# KiCad board stm32_hotswap_chiffre.kicad_pcb
title: Le Chiffre STM32; date: 2023-06-25; rev: v0.1; company: sporkus
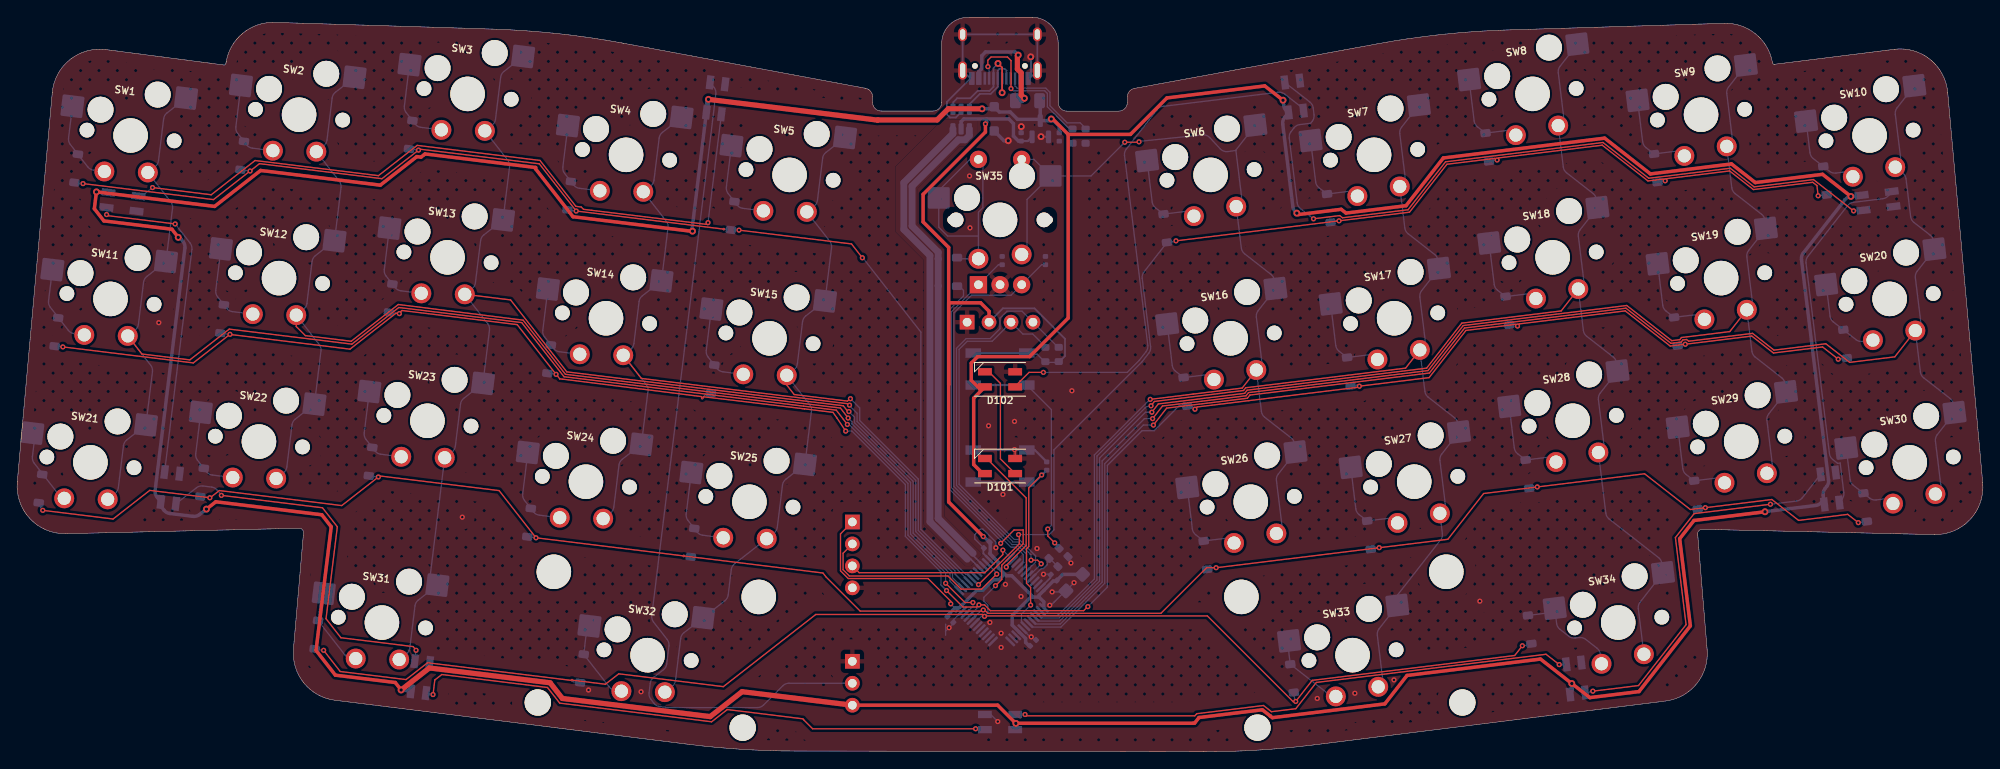
[diagram p0: board, top side]
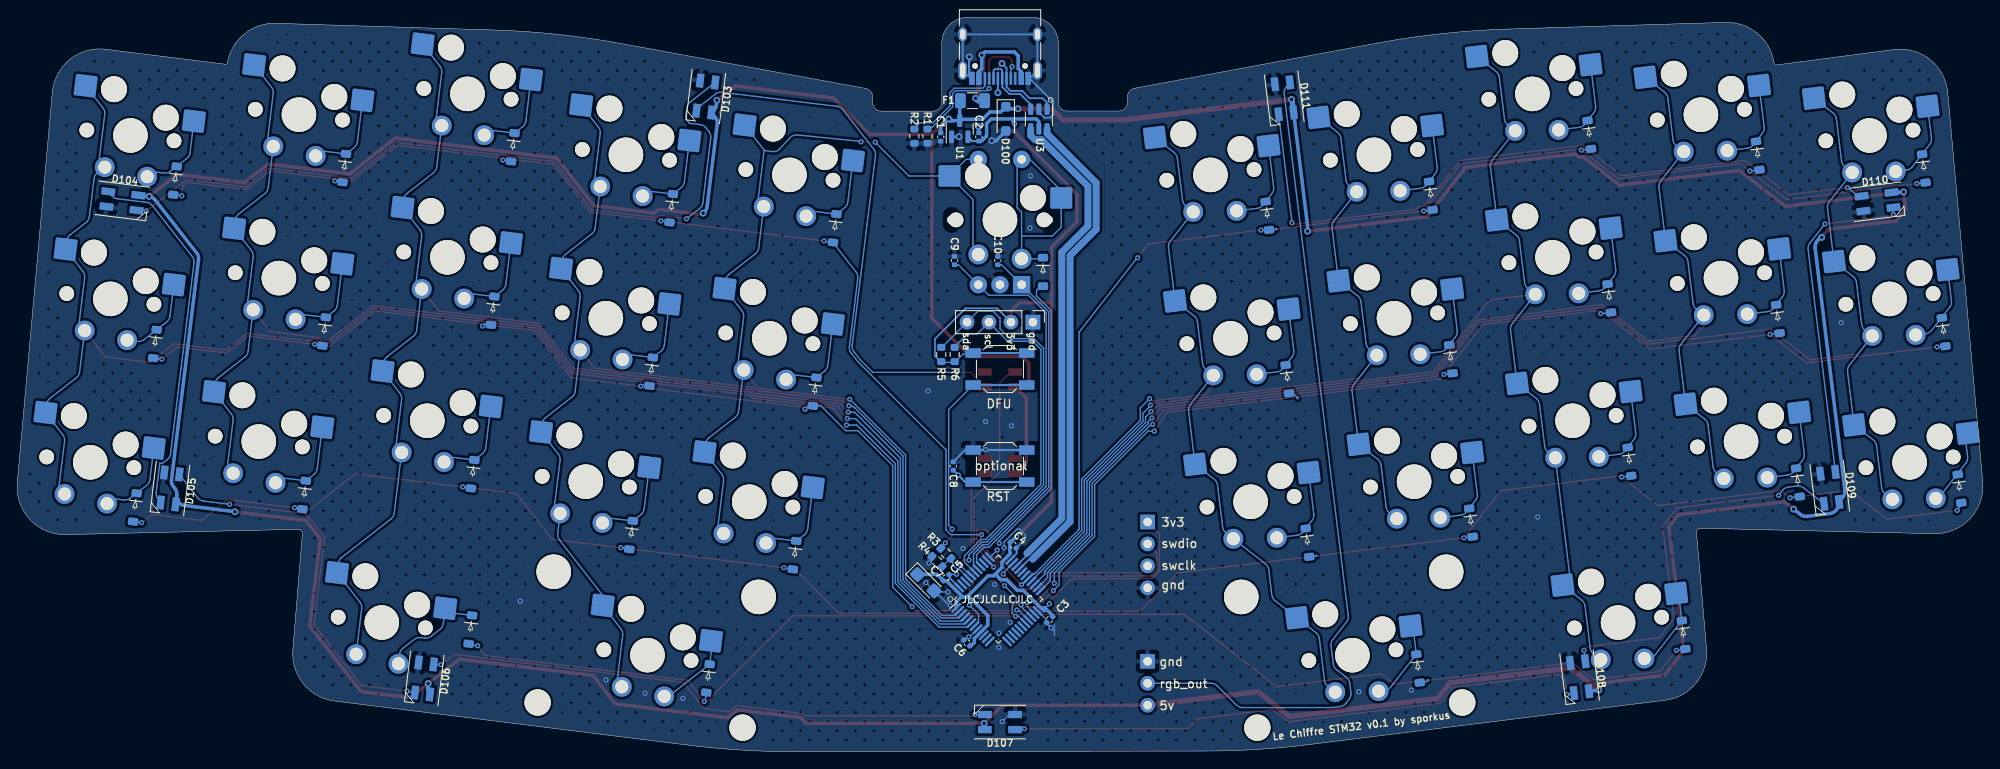
[diagram p1: board, bottom side, seen from below]

Outline 227.3 x 84.96 mm; copper layers: Top, Bottom. Coordinates in mm from the lower left corner of the outline.
Outline path: 4.05,76.27 0,31.21 arc(1.46,26.96) 5.61,25.22 32.59,25.86 arc(32.97,25.7) 33.1,25.31 31.94,11.89 arc(33.14,7.95) 36.74,5.95 77.7,0.85 arc(83.79,0.28) 89.9,0.08 137.22,0 arc(143.51,0.19) 149.77,0.77 190.63,5.87 arc(194.22,7.86) 195.43,11.77 194.33,25.19 arc(194.47,25.57) 194.84,25.73 221.7,25.12 arc(225.84,26.86) 227.3,31.11 223.25,76.3 arc(221.22,80.09) 217.09,81.26 203.21,79.53 arc(203.07,79.57) 202.99,79.69 202.96,79.85 arc(200.99,83.08) 197.4,84.27 172.33,83.5 arc(164.79,82.98) 157.31,81.9 129.2,76.74 arc(128.61,76.4) 128.38,75.76 128.38,75.11 arc(128.09,74.4) 127.38,74.11 121.38,74.11 arc(120.67,74.4) 120.38,75.11 120.38,81.97 arc(119.5,84.09) 117.37,84.96 109.9,84.95 arc(107.79,84.07) 106.91,81.95 106.91,75.12 arc(106.62,74.41) 105.91,74.12 99.91,74.12 arc(99.2,74.41) 98.91,75.12 98.91,75.77 arc(98.68,76.41) 98.09,76.75 70.07,81.97 arc(62.5,83.08) 54.86,83.6 29.74,84.37 arc(26.1,83.14) 24.16,79.81 24.12,79.61 arc(24.04,79.48) 23.9,79.44 10.24,81.23 arc(6.08,80.07) 4.05,76.27
Stack: Top 0.035mm / dielectric 1.51mm FR4 er 4.5 / Bottom 0.035mm

## Placement (name value [footprint] x y rotation side)
C1  1uF  [C_0402_1005Metric]  120.51 71.12 90 bottom
C2  1uF  [C_0402_1005Metric]  116.1 71.13 270 bottom
C3  100nF  [C_0402_1005Metric]  107.91 15.3 315 bottom
C4  100nF  [C_0402_1005Metric]  112.13 23.9 225 bottom
C5  100nF  [C_0402_1005Metric]  119.87 20.14 135 bottom
C6  100nF  [C_0402_1005Metric]  117.48 12.59 45 bottom
C7  10uF  [CP_EIA-3216-18_Kemet-A]  122.23 19.56 225 bottom
C8  100nF  [C_0402_1005Metric]  119.05 33.05 270 bottom
C9  100nF  [C_0402_1005Metric]  118.9 56.82 90 bottom
C10  100nF  [C_0402_1005Metric]  113.9 56.82 90 bottom
D1  1N4148W  [D_SOD-123]  6.81 67.49 263 bottom
D2  1N4148W  [D_SOD-123]  26.01 68.97 263 bottom
D3  1N4148W  [D_SOD-123]  45.5 71.37 263 bottom
D4  1N4148W  [D_SOD-123]  63.83 64.32 263 bottom
D5  1N4148W  [D_SOD-123]  82.73 62 263 bottom
D6  1N4148W  [D_SOD-123]  132.76 60.56 277 bottom
D7  1N4148W  [D_SOD-123]  151.67 62.88 277 bottom
D8  1N4148W  [D_SOD-123]  170 69.93 277 bottom
D9  1N4148W  [D_SOD-123]  189.49 67.52 277 bottom
D10  1N4148W  [D_SOD-123]  209.06 66.08 277 bottom
D11  1N4148W  [D_SOD-123]  4.52 48.55 263 bottom
D12  1N4148W  [D_SOD-123]  23.69 50.06 263 bottom
D13  1N4148W  [D_SOD-123]  43.18 52.47 263 bottom
D14  1N4148W  [D_SOD-123]  61.51 45.42 263 bottom
D15  1N4148W  [D_SOD-123]  80.41 43.1 263 bottom
D16  1N4148W  [D_SOD-123]  135.08 41.65 277 bottom
D17  1N4148W  [D_SOD-123]  153.99 43.97 277 bottom
D18  1N4148W  [D_SOD-123]  172.32 51.02 277 bottom
D19  1N4148W  [D_SOD-123]  191.81 48.61 277 bottom
D20  1N4148W  [D_SOD-123]  211.38 47.18 277 bottom
D21  1N4148W  [D_SOD-123]  2.68 30.44 263 bottom
D22  1N4148W  [D_SOD-123]  21.37 31.15 263 bottom
D23  1N4148W  [D_SOD-123]  40.86 33.56 263 bottom
D24  1N4148W  [D_SOD-123]  59.18 26.51 263 bottom
D25  1N4148W  [D_SOD-123]  78.09 24.19 263 bottom
D26  1N4148W  [D_SOD-123]  137.41 22.74 277 bottom
D27  1N4148W  [D_SOD-123]  156.31 25.06 277 bottom
D28  1N4148W  [D_SOD-123]  174.64 32.11 277 bottom
D29  1N4148W  [D_SOD-123]  194.13 29.71 277 bottom
D30  1N4148W  [D_SOD-123]  213.7 28.27 277 bottom
D31  1N4148W  [D_SOD-123]  34.59 13.52 263 bottom
D32  1N4148W  [D_SOD-123]  65.31 9.63 263 bottom
D33  1N4148W  [D_SOD-123]  147.42 8.48 277 bottom
D34  1N4148W  [D_SOD-123]  174.9 14.13 277 bottom
D35  1N4148W  [D_SOD-123]  108.68 55.51 270 bottom
D100  SMF6.0CA  [D_SOD-123F]  112.98 73.21 270 bottom
D101  SK6812MINI  [LED_SK6812MINI_PLCC4_3.5x3.5mm_P1.75mm]  113.65 33.05 180 top
D102  SK6812MINI  [LED_SK6812MINI_PLCC4_3.5x3.5mm_P1.75mm]  113.65 43.08 180 top
D103  SK6812MINI  [LED_SK6812MINI_PLCC4_3.5x3.5mm_P1.75mm]  147.67 75.79 277 bottom
D104  SK6812MINI  [LED_SK6812MINI_PLCC4_3.5x3.5mm_P1.75mm]  215.14 63.73 187 bottom
D105  SK6812MINI  [LED_SK6812MINI_PLCC4_3.5x3.5mm_P1.75mm]  209.64 30.46 277 bottom
D106  SK6812MINI  [LED_SK6812MINI_PLCC4_3.5x3.5mm_P1.75mm]  180.23 8.47 277 bottom
D107  SK6812MINI  [LED_SK6812MINI_PLCC4_3.5x3.5mm_P1.75mm]  113.65 3.43 0 bottom
D108  SK6812MINI  [LED_SK6812MINI_PLCC4_3.5x3.5mm_P1.75mm]  46.61 8.63 263 bottom
D109  SK6812MINI  [LED_SK6812MINI_PLCC4_3.5x3.5mm_P1.75mm]  17.69 30.53 263 bottom
D110  SK6812MINI  [LED_SK6812MINI_PLCC4_3.5x3.5mm_P1.75mm]  12.16 63.62 173 bottom
D111  SK6812MINI  [LED_SK6812MINI_PLCC4_3.5x3.5mm_P1.75mm]  80.77 75.59 263 bottom
F1  ASMD1206-150  [Fuse_1206_3216Metric]  116.83 75.31 0 bottom
J1  USB_C_Receptacle_USB2.0  [USB_C_Receptacle_HRO_TYPE-C-31-M-12]  113.64 81.93 0 bottom
J2  OLED I2C  [PinHeader_1x04_P2.54mm_Vertical]  109.84 49.69 270 bottom
J3  SW_DEBUG  [PinHeader_1x04_P2.54mm_Vertical]  96.58 26.58 0 top
J101  Conn_01x03_Female  [PinSocket_1x03_P2.54mm_Vertical]  96.58 10.46 0 top
R1  5.1k  [R_0603_1608Metric]  122.03 71.22 90 bottom
R2  5.1k  [R_0603_1608Metric]  123.55 71.21 90 bottom
R3  100  [R_0603_1608Metric]  119.91 22.95 225 bottom
R4  10k  [R_0603_1608Metric]  120.93 21.99 45 bottom
R5  4.7k  [R_0603_1608Metric]  120.44 45.96 270 bottom
R6  4.7k  [R_0603_1608Metric]  118.89 45.95 270 bottom
SW1  SW_Push  [MX-Hotswap-Alps-1U]  13.1 71.29 353 top
SW2  SW_Push  [MX-Hotswap-Alps-1U]  32.59 73.7 353 top
SW3  SW_Push  [MX-Hotswap-Alps-1U]  52.08 76.1 353 top
SW4  SW_Push  [MX-Hotswap-Alps-1U]  70.41 69.05 353 top
SW5  SW_Push  [MX-Hotswap-Alps-1U]  89.31 66.73 353 top
SW6  SW_Push  [MX-Hotswap-Alps-1U]  138 66.73 7 top
SW7  SW_Push  [MX-Hotswap-Alps-1U]  156.91 69.06 7 top
SW8  SW_Push  [MX-Hotswap-Alps-1U]  175.24 76.1 7 top
SW9  SW_Push  [MX-Hotswap-Alps-1U]  194.73 73.7 7 top
SW10  SW_Push  [MX-Hotswap-Alps-1U]  214.21 71.29 7 top
SW11  SW_Push  [MX-Hotswap-Alps-1U]  10.78 52.38 353 top
SW12  SW_Push  [MX-Hotswap-Alps-1U]  30.27 54.79 353 top
SW13  SW_Push  [MX-Hotswap-Alps-1U]  49.76 57.19 353 top
SW14  SW_Push  [MX-Hotswap-Alps-1U]  68.08 50.14 353 top
SW15  SW_Push  [MX-Hotswap-Alps-1U]  86.99 47.82 353 top
SW16  SW_Push  [MX-Hotswap-Alps-1U]  140.32 47.83 7 top
SW17  SW_Push  [MX-Hotswap-Alps-1U]  159.23 50.15 7 top
SW18  SW_Push  [MX-Hotswap-Alps-1U]  177.56 57.2 7 top
SW19  SW_Push  [MX-Hotswap-Alps-1U]  197.05 54.79 7 top
SW20  SW_Push  [MX-Hotswap-Alps-1U]  216.54 52.39 7 top
SW21  SW_Push  [MX-Hotswap-Alps-1U]  8.46 33.47 353 top
SW22  SW_Push  [MX-Hotswap-Alps-1U]  27.95 35.88 353 top
SW23  SW_Push  [MX-Hotswap-Alps-1U]  47.43 38.28 353 top
SW24  SW_Push  [MX-Hotswap-Alps-1U]  65.76 31.24 353 top
SW25  SW_Push  [MX-Hotswap-Alps-1U]  84.67 28.91 353 top
SW26  SW_Push  [MX-Hotswap-Alps-1U]  142.65 28.92 7 top
SW27  SW_Push  [MX-Hotswap-Alps-1U]  161.55 31.24 7 top
SW28  SW_Push  [MX-Hotswap-Alps-1U]  179.88 38.29 7 top
SW29  SW_Push  [MX-Hotswap-Alps-1U]  199.37 35.88 7 top
SW30  SW_Push  [MX-Hotswap-Alps-1U]  218.86 33.48 7 top
SW31  SW_Push  [MX-Hotswap-Alps-1.25U]  42.17 14.94 353 top
SW32  SW_Push  [MX-Hotswap-Alps-2U]  72.89 11.17 353 top
SW33  SW_Push  [MX-Hotswap-Alps-2U]  154.42 11.17 7 top
SW34  SW_Push  [MX-Hotswap-Alps-1.25U]  185.15 14.94 7 top
SW35  SW_Push  [MX-Hotswap-Alps-1U]  113.65 61.53 0 top
SW36  Rotary_Encoder_Switch  [RotaryEncoder_EC11]  113.65 61.53 90 top
SW37  SKQGABE010  [SW_SPST_SKQG_WithoutStem]  113.65 33.05 180 bottom
SW38  SKQGABE010  [SW_SPST_SKQG_WithoutStem]  113.65 44.27 180 bottom
U1  XC6206PxxxMR-Regulator_Linear  [SOT-23]  118.31 72.07 90 bottom
U2  STM32F072CBT6  [LQFP-48_7x7mm_P0.5mm]  113.83 17.65 135 bottom
U3  USBLC6-2SC6  [SOT-23-6]  109.15 73.19 270 bottom

## Library data of the parts
C1 C2 = -: Description: Unpolarized capacitor, small symbol; LCSC: C52923
C3-C6 = -: Description: Unpolarized capacitor; JlcRotOffset: 90; LCSC: C307331
C7 = -: Description: Unpolarized capacitor; JlcRotOffset: 90; LCSC: C7171
C8 = -: Description: Unpolarized capacitor, small symbol; LCSC: C307331
C9 C10 = -: Description: Unpolarized capacitor; LCSC: C307331
D1-D5 D11-D15 D21-D25 D31 D32 = -: Description: 100V 0.15A standard switching diode, DO-35; JlcRotOffset: 14
D6-D10 D16-D20 D26-D30 D33 D34 = -: Description: 100V 0.15A standard switching diode, DO-35; JlcRotOffset: -14
D35 = -: Description: 100V 0.15A standard switching diode, DO-35; JlcRotOffset: 0
D100 = -: Description: Bidirectional transient-voltage-suppression diode; JlcRotOffset: 0; LCSC: C2990473
D101-D111 = -: Description: RGB LED with integrated controller
F1 = -: Description: Resettable fuse, polymeric positive temperature coefficient
J1 = -: Description: USB 2.0-only Type-C Receptacle connector; JlcPosOffset: 0,1.5; JlcRotOffset: 180
J2 J3 = -: Description: Generic connector, single row, 01x04, script generated
R1 R2 R5 R6 = -: Description: Resistor
R3 R4 = -: Description: Resistor, small symbol; JlcRotOffset: 90
SW1-SW35 = -: Description: Push button switch, generic, two pins
SW37 SW38 = -: Description: Push button switch, generic, two pins; LCSC: C115351
U1 = -: Description: SMD LDO regulator family; JlcRotOffset: 180; LCSC: C5446
U2 = -: Description: STMicroelectronics Arm Cortex-M0 MCU, 128KB flash, 16KB RAM, 48 MHz, 2.0-3.6V, 37 GPIO, LQFP48; JlcRotOffset: 180
U3 = -: Description: Very low capacitance ESD protection diode, 2 data-line, SOT-23-6; JlcRotOffset: -90; LCSC: C2827654

## Footprints (pads in the part's own frame, mm; a bottom-side part is the same pattern mirrored in y, then rotated)
C_0402_1005Metric
  rrect 0.56x0.62 smd: 1(-0.48,0) 2(0.48,0)
CP_EIA-3216-18_Kemet-A
  rrect 1.4x1.35 smd: 1(-1.35,0) 2(1.35,0)
D_SOD-123
  rrect 0.9x1.2 smd: 1(-1.65,0) 2(1.65,0)
D_SOD-123F
  rrect 1.1x1.1 smd: 1(-1.4,0) 2(1.4,0)
Fuse_1206_3216Metric
  rrect 1.25x1.75 smd: 1(-1.4,0) 2(1.4,0)
LED_SK6812MINI_PLCC4_3.5x3.5mm_P1.75mm
  rect 1.6x0.85 smd: 1(-1.75,0.875) 2(-1.75,-0.875) 3(1.75,-0.875) 4(1.75,0.875)
LQFP-48_7x7mm_P0.5mm
  rrect 1.475x0.3 smd: 1(-4.162,2.75) 2(-4.162,2.25) 3(-4.162,1.75) 4(-4.162,1.25) 5(-4.162,0.75) 6(-4.162,0.25) 7(-4.162,-0.25) 8(-4.162,-0.75) 9(-4.162,-1.25) 10(-4.162,-1.75) 11(-4.162,-2.25) 12(-4.162,-2.75) 25(4.162,-2.75) 26(4.162,-2.25) 27(4.162,-1.75) 28(4.162,-1.25) 29(4.162,-0.75) 30(4.162,-0.25) 31(4.162,0.25) 32(4.162,0.75) 33(4.162,1.25) 34(4.162,1.75) 35(4.162,2.25) 36(4.162,2.75)
  rrect 0.3x1.475 smd: 13(-2.75,-4.162) 14(-2.25,-4.162) 15(-1.75,-4.162) 16(-1.25,-4.162) 17(-0.75,-4.162) 18(-0.25,-4.162) 19(0.25,-4.162) 20(0.75,-4.162) 21(1.25,-4.162) 22(1.75,-4.162) 23(2.25,-4.162) 24(2.75,-4.162) 37(2.75,4.162) 38(2.25,4.162) 39(1.75,4.162) 40(1.25,4.162) 41(0.75,4.162) 42(0.25,4.162) 43(-0.25,4.162) 44(-0.75,4.162) 45(-1.25,4.162) 46(-1.75,4.162) 47(-2.25,4.162) 48(-2.75,4.162)
MX-Hotswap-Alps-1.25U
  round 1.702 hole 1.702 unplated: (-5.08,0) (5.08,0)
  round 3 hole 3 unplated: (-3.81,2.54) (2.54,5.08)
  round 3.988 hole 3.988 unplated: (0,0)
  rrect 2.55x2.5 smd far side: 1(-7.085,2.54) 2(5.842,5.08)
  round 2.3 hole 1.524: 1(-2.5,-4.5) 2(2.5,-4)
MX-Hotswap-Alps-1U
  round 1.702 hole 1.702 unplated: (-5.08,0) (5.08,0)
  round 3 hole 3 unplated: (-3.81,2.54) (2.54,5.08)
  round 3.988 hole 3.988 unplated: (0,0)
  rrect 2.55x2.5 smd far side: 1(-7.085,2.54) 2(5.842,5.08)
  round 2.3 hole 1.524: 1(-2.5,-4.5) 2(2.5,-4)
MX-Hotswap-Alps-2U
  round 3.988 hole 3.988 unplated: (-11.938,8.255) (0,0) (11.938,8.255)
  round 3.048 hole 3.048 unplated: (-11.938,-6.985) (11.938,-6.985)
  round 1.702 hole 1.702 unplated: (-5.08,0) (5.08,0)
  round 3 hole 3 unplated: (-3.81,2.54) (2.54,5.08)
  rrect 2.55x2.5 smd far side: 1(-7.085,2.54) 2(5.842,5.08)
  round 2.3 hole 1.524: 1(-2.5,-4.5) 2(2.5,-4)
PinHeader_1x04_P2.54mm_Vertical
  rect 1.7x1.7 hole 1: 1(0,0)
  oval 1.7x1.7 hole 1: 2(0,-2.54) 3(0,-5.08) 4(0,-7.62)
PinSocket_1x03_P2.54mm_Vertical
  rect 1.7x1.7 hole 1: 1(0,0)
  oval 1.7x1.7 hole 1: 2(0,-2.54) 3(0,-5.08)
R_0603_1608Metric
  rrect 0.8x0.95 smd: 1(-0.825,0) 2(0.825,0)
RotaryEncoder_EC11
  oval 1x1 hole 2.5x1.5 unplated: (0,5.6) (0,-5.6)
  rect 2x2 hole 1: A(-7.5,2.5)
  round 2 hole 1: B(-7.5,-2.5) C(-7.5,0) S1(7,-2.5) S2(7,2.5)
SOT-23
  rrect 1.475x0.6 smd: 1(-0.938,0.95) 2(-0.938,-0.95) 3(0.938,0)
SOT-23-6
  rrect 1.325x0.6 smd: 1(-1.137,0.95) 2(-1.137,0) 3(-1.137,-0.95) 4(1.137,-0.95) 5(1.137,0) 6(1.137,0.95)
SW_SPST_SKQG_WithoutStem
  rect 1.8x1.1 smd: 1(-3.1,1.85) 1(3.1,1.85) 2(-3.1,-1.85) 2(3.1,-1.85)
USB_C_Receptacle_HRO_TYPE-C-31-M-12
  round 0.65 hole 0.65 unplated: (-2.89,2.6) (2.89,2.6)
  rect 0.6x1.45 smd: A1(-3.25,4.045) A4(-2.45,4.045) A9(2.45,4.045) A12(3.25,4.045) B1(3.25,4.045) B4(2.45,4.045) B9(-2.45,4.045) B12(-3.25,4.045)
  rect 0.3x1.45 smd: A5(-1.25,4.045) A6(-0.25,4.045) A7(0.25,4.045) A8(1.25,4.045) B5(1.75,4.045) B6(0.75,4.045) B7(-0.75,4.045) B8(-1.75,4.045)
  oval 1x1.6 hole 0.6x1.2: S1(-4.32,-1.05) S1(4.32,-1.05)
  oval 1x2.1 hole 0.6x1.7: S1(-4.32,3.13) S1(4.32,3.13)

## Nets
+3V3: C2.2 C3.1 C4.1 C5.1 C6.1 C7.1 J2.2 J3.1 R5.2 R6.2 SW38.1 U1.2 U2.1 U2.9 U2.24 U2.36 U2.48 U3.5
+5V: C1.2 D100.1 D101.4 D102.4 D103.4 D104.4 D105.4 D106.4 D107.4 D108.4 D109.4 D110.4 D111.4 F1.2 J101.3 U1.3
GND: C1.1 C2.1 C3.2 C4.2 C5.2 C6.2 C7.2 C8.1 C9.2 C10.2 D100.2 D101.2 D102.2 D103.2 D104.2 D105.2 D106.2 D107.2 D108.2 D109.2 D110.2 D111.2 J1.A1 J1.A12 J1.B1 J1.B12 J1.S1 J2.1 J3.4 J101.1 R1.1 R2.1 R4.2 SW36.C SW37.1 U1.1 U2.8 U2.23 U2.35 U2.47 U3.2
VBUS: F1.1 J1.A4 J1.A9 J1.B4 J1.B9
BOOT0: R3.2 R4.1 U2.44
CC1: J1.A5 R1.2
CC2: J1.B5 R2.2
col0: SW1.2 SW11.2 SW21.2 U2.22
col1: SW2.2 SW12.2 SW22.2 U2.25
col2: SW3.2 SW13.2 SW23.2 SW31.2 U2.26
col3: SW4.2 SW14.2 SW24.2 U2.27
col4: SW5.2 SW15.2 SW25.2 SW32.2 U2.28
col5: SW6.2 SW16.2 SW26.2 SW35.2 SW36.S1 U2.2
col6: SW7.2 SW17.2 SW27.2 SW33.2 U2.3
col7: SW8.2 SW18.2 SW28.2 SW34.2 U2.4
col8: SW9.2 SW19.2 SW29.2 U2.5
col9: SW10.2 SW20.2 SW30.2 U2.6
EncA: C10.1 SW36.A U2.40
EncB: C9.1 SW36.B U2.41
KNOB_SW: U2.39
NRST: C8.2 SW37.2 U2.7
RGB: D101.3 U2.38
row0: D1.2 D2.2 D3.2 D4.2 D5.2 D6.2 D7.2 D8.2 D9.2 D10.2 U2.29
row1: D11.2 D12.2 D13.2 D14.2 D15.2 D16.2 D17.2 D18.2 D19.2 D20.2 U2.21
row2: D21.2 D22.2 D23.2 D24.2 D25.2 D26.2 D27.2 D28.2 D29.2 D30.2 U2.20
row3: D31.2 D32.2 D33.2 D34.2 D35.2 U2.19
SCL: J2.3 R6.1 U2.42
SDA: J2.4 R5.1 U2.43
SWCLK: J3.3 U2.37
SWDIO: J3.2 U2.34
USB_D_N: J1.A7 J1.B7 U2.32 U3.1 U3.6
USB_D_P: J1.A6 J1.B6 U2.33 U3.3 U3.4
Net-(D1-K): D1.1 SW1.1
Net-(D2-K): D2.1 SW2.1
Net-(D3-K): D3.1 SW3.1
Net-(D4-K): D4.1 SW4.1
Net-(D5-K): D5.1 SW5.1
Net-(D6-K): D6.1 SW6.1
Net-(D7-K): D7.1 SW7.1
Net-(D8-K): D8.1 SW8.1
Net-(D9-K): D9.1 SW9.1
Net-(D10-K): D10.1 SW10.1
Net-(D11-K): D11.1 SW11.1
Net-(D12-K): D12.1 SW12.1
Net-(D13-K): D13.1 SW13.1
Net-(D14-K): D14.1 SW14.1
Net-(D15-K): D15.1 SW15.1
Net-(D16-K): D16.1 SW16.1
Net-(D17-K): D17.1 SW17.1
Net-(D18-K): D18.1 SW18.1
Net-(D19-K): D19.1 SW19.1
Net-(D20-K): D20.1 SW20.1
Net-(D21-K): D21.1 SW21.1
Net-(D22-K): D22.1 SW22.1
Net-(D23-K): D23.1 SW23.1
Net-(D24-K): D24.1 SW24.1
Net-(D25-K): D25.1 SW25.1
Net-(D26-K): D26.1 SW26.1
Net-(D27-K): D27.1 SW27.1
Net-(D28-K): D28.1 SW28.1
Net-(D29-K): D29.1 SW29.1
Net-(D30-K): D30.1 SW30.1
Net-(D31-K): D31.1 SW31.1
Net-(D32-K): D32.1 SW32.1
Net-(D33-K): D33.1 SW33.1
Net-(D34-K): D34.1 SW34.1
Net-(D35-K): D35.1 SW35.1 SW36.S2
Net-(D101-DOUT): D101.1 D102.3
Net-(D102-DOUT): D102.1 D103.3
Net-(D103-DOUT): D103.1 D104.3
Net-(D104-DOUT): D104.1 D105.3
Net-(D105-DOUT): D105.1 D106.3
Net-(D106-DOUT): D106.1 D107.3
Net-(D107-DOUT): D107.1 D108.3
Net-(D108-DOUT): D108.1 D109.3
Net-(D109-DOUT): D109.1 D110.3
Net-(D110-DOUT): D110.1 D111.3
Net-(D111-DOUT): D111.1 J101.2
Net-(R3-Pad1): R3.1 SW38.2

Pads without a net: J1 A8 B8; U2 10 11 12 13 14 15 16 17 18 30 31 45 46

## Via types
v1: diameter 0.6, hole 0.3, Top to Bottom, 115 vias
v2: diameter 0.8, hole 0.4, Top to Bottom, 22 vias
v3: diameter 0.3, hole 0.1, Top to Bottom, 4 vias

## Routing (per net, layer and track width the routed paths; a pad name or vN(x,y) marks a point on that pad's centre or on a via; arc(x,y) is an arc through that point)
+3V3: length 160.7
  Top w0.15: v1(107.95,17.11) 107.95,17.41 105.33,20.03 96.1,20.03 95.2,20.93 95.2,25.2 J3.1
  Top w0.4: 107.71,42.49 107.71,58.34 104.76,61.29 104.76,64.49 111.96,71.69 v1(111.96,72.64) ; 107.71,42.49 107.71,28.89 v1(111.71,24.89) ; 107.71,42.49 107.71,51.94 111.4,51.94 112.38,50.95 J2.2
  Bottom w0.15: 120.43,45.04 118.89,45.04 117.94,45.99 116.88,45.99 ; 108.46,16.65 108.41,16.65 v1(107.95,17.11)
  Bottom w0.2: 120.44,45.05 121.17,45.77 121.17,47.76 117.64,51.29 113.98,51.29 J2.2
  Bottom w0.25: U1.2 116.87,70.65 C2.2 ; SW38.1 SW38.1
  Bottom w0.4: 117.48,17.89 118.16,17.89 ; 117.48,17.89 117.19,17.89 115.06,15.76 115.06,14.65 U2.9 116.61,13.1 116.61,12.65 117.08,12.19 ; 117.48,17.89 115.01,20.36 114.38,20.36 113.42,21.31 113.42,21.95 U2.36 ; 118.16,17.89 118.72,17.33 U2.1 ; 118.16,17.89 118.16,18.1 U2.48 119.81,19.74 120.27,19.74 ; 116.09,70.65 115.79,70.65 115.2,71.23 115.2,72.67 114.66,73.21 112.11,73.21 ; 112.11,73.21 109.46,73.21 109.15,72.9 109.15,72.44 ; 112.11,73.21 112.11,72.79 v1(111.96,72.64) ; 107.51,15.7 108.46,16.65 U2.24 110.95,18.66 111.66,18.66 112.9,19.9 113.54,19.9 113.98,20.34 ; 112.83,22.56 112.51,22.88 112.51,24.15 111.77,24.89 v1(111.71,24.89) ; C5.1 120.92,20.51 C7.1
+5V: length 623.2
  Top w0.4: v2(21.87,28.07) 22.96,28.91 35.22,27.41 36.31,26.02 34.55,11.72 36.79,8.85 43.72,8 v2(44.39,7.14) ; 121.53,71.42 121.53,50.16 117.08,45.71 111.08,45.71 110.33,44.96 110.33,42.96 111.08,42.2 D102.4 110.6,40.9 110.6,33.22 111.65,32.17 ; 121.53,71.42 128.73,71.42 132.95,75.64 144.27,77.03 v2(146.38,75.37) ; 121.53,71.42 119.75,73.2 v2(119.58,73.2) ; J101.3 113.38,5.38 v2(115.48,3.28) 115.49,3.29 135.99,3.29 136.16,3.31 136.66,3.95 143.98,4.85 144.9,4.13 145.15,3.94 158.15,5.53 160.72,8.82 176.16,10.72 v2(179.78,7.89) 181.86,6.26 187.55,6.96 193.49,14.56 192.25,24.63 193.91,26.75 v2(202.12,27.76) ; v2(147.97,62.31) 148.18,62.15 153.11,62.75 153.66,62.32 160.61,63.17 164.92,68.69 183.57,70.98 188.87,66.85 198.24,68 201,65.84 208.78,66.8 v2(212.05,64.24) ; v2(18.61,59.51) 17.88,60.44 10.01,61.41 8.91,62.82 v2(9.15,64.76) 22.82,63.09 28.14,67.24 41.98,65.54 46.21,68.85 46.69,68.79 47.16,69.16 59.95,67.59 59.93,67.44 64.27,61.89 78.06,60.2 v2(78.09,60.22)
  Top w0.6: v2(44.39,7.14) 47.65,9.69 61.62,7.97 63.04,6.16 80.13,4.06 83.82,6.94 J101.3 ; v2(79.93,75.47) 99.49,73.07 99.51,73.09 106.38,73.09 107.67,74.38 v2(111.58,74.38)
  Bottom w0.4: v2(147.97,62.31) 147.9,62.36 arc(147.65,62.66) 147.52,63.03 146.35,72.62 arc(146.38,73.01) 146.55,73.36 D103.4 ; C1.2 120.51,72.35 119.85,73.01 119.09,73.01 ; v2(115.48,3.28) 115.48,2.63 ; v2(44.39,7.14) 44.39,7.14 D108.4 ; 119.09,73.01 119.39,73.01 v2(119.58,73.2) ; 119.09,73.01 U1.3 ; D104.4 212.07,64.23 v2(212.05,64.24) 212.04,64.24 arc(211.67,64.12) 211.37,63.86 206.54,57.68 arc(206.37,57.33) 206.34,56.94 209.47,31.44 arc(209.44,31.05) 209.27,30.7 209.06,30.43 arc(208.88,30.09) 208.85,29.7 208.86,29.61 arc(208.66,28.87) 207.99,28.49 202.13,27.77 v2(202.12,27.76) ; v2(179.78,7.89) 179.83,7.44 arc(179.8,7.05) 179.63,6.7 ; v2(146.38,75.37) 146.46,74.76 arc(146.58,74.38) 146.84,74.09 ; v2(78.09,60.22) 78.02,60.31 D111.4 ; D109.4 16.14,29.49 arc(15.97,29.84) 15.94,30.23 19.38,58.28 arc(19.36,58.67) 19.18,59.02 18.82,59.48 v2(18.61,59.51) ; U1.3 118.16,73.16 115.68,73.16 114.83,74.01 113.58,74.01 D100.1 ; U1.3 118.31,75.24 ; v2(21.87,28.07) 21.06,27.43 arc(20.72,27.26) 20.33,27.23 17.64,27.56 arc(17.27,27.68) 16.97,27.94 16.56,28.47 ; v2(9.15,64.76) 10.41,64.61 ; 112.74,74.38 v2(111.58,74.38)